# Altium PCB main_pcb_new.PcbDoc
Units mm, origin at the board's own origin, x right, y up, seen from the top; angles counter-clockwise.
Board outline 90.08 x 133.03 mm, 2 copper layers (Top Layer, Bottom Layer); 17 components, 96 nets, 73 pads, 0 vias.
Unrouted connection lines stored in the file: 4.
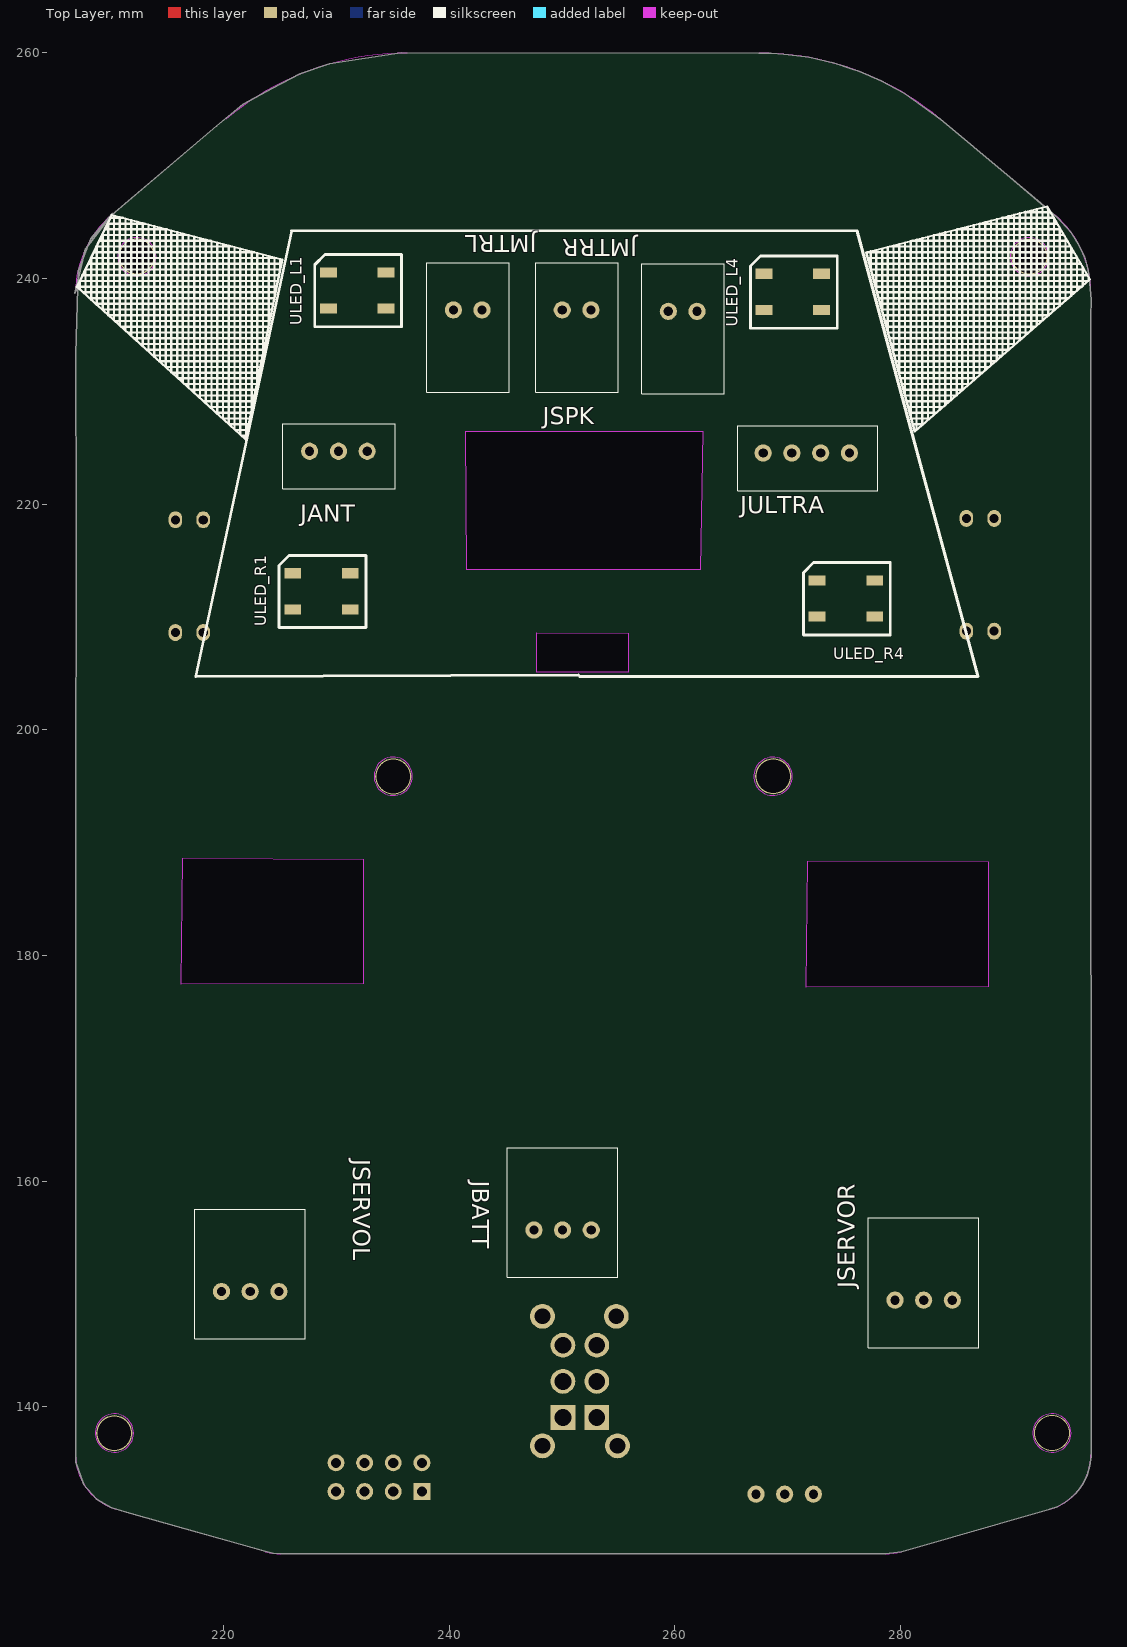
[diagram p0: Top Layer view]
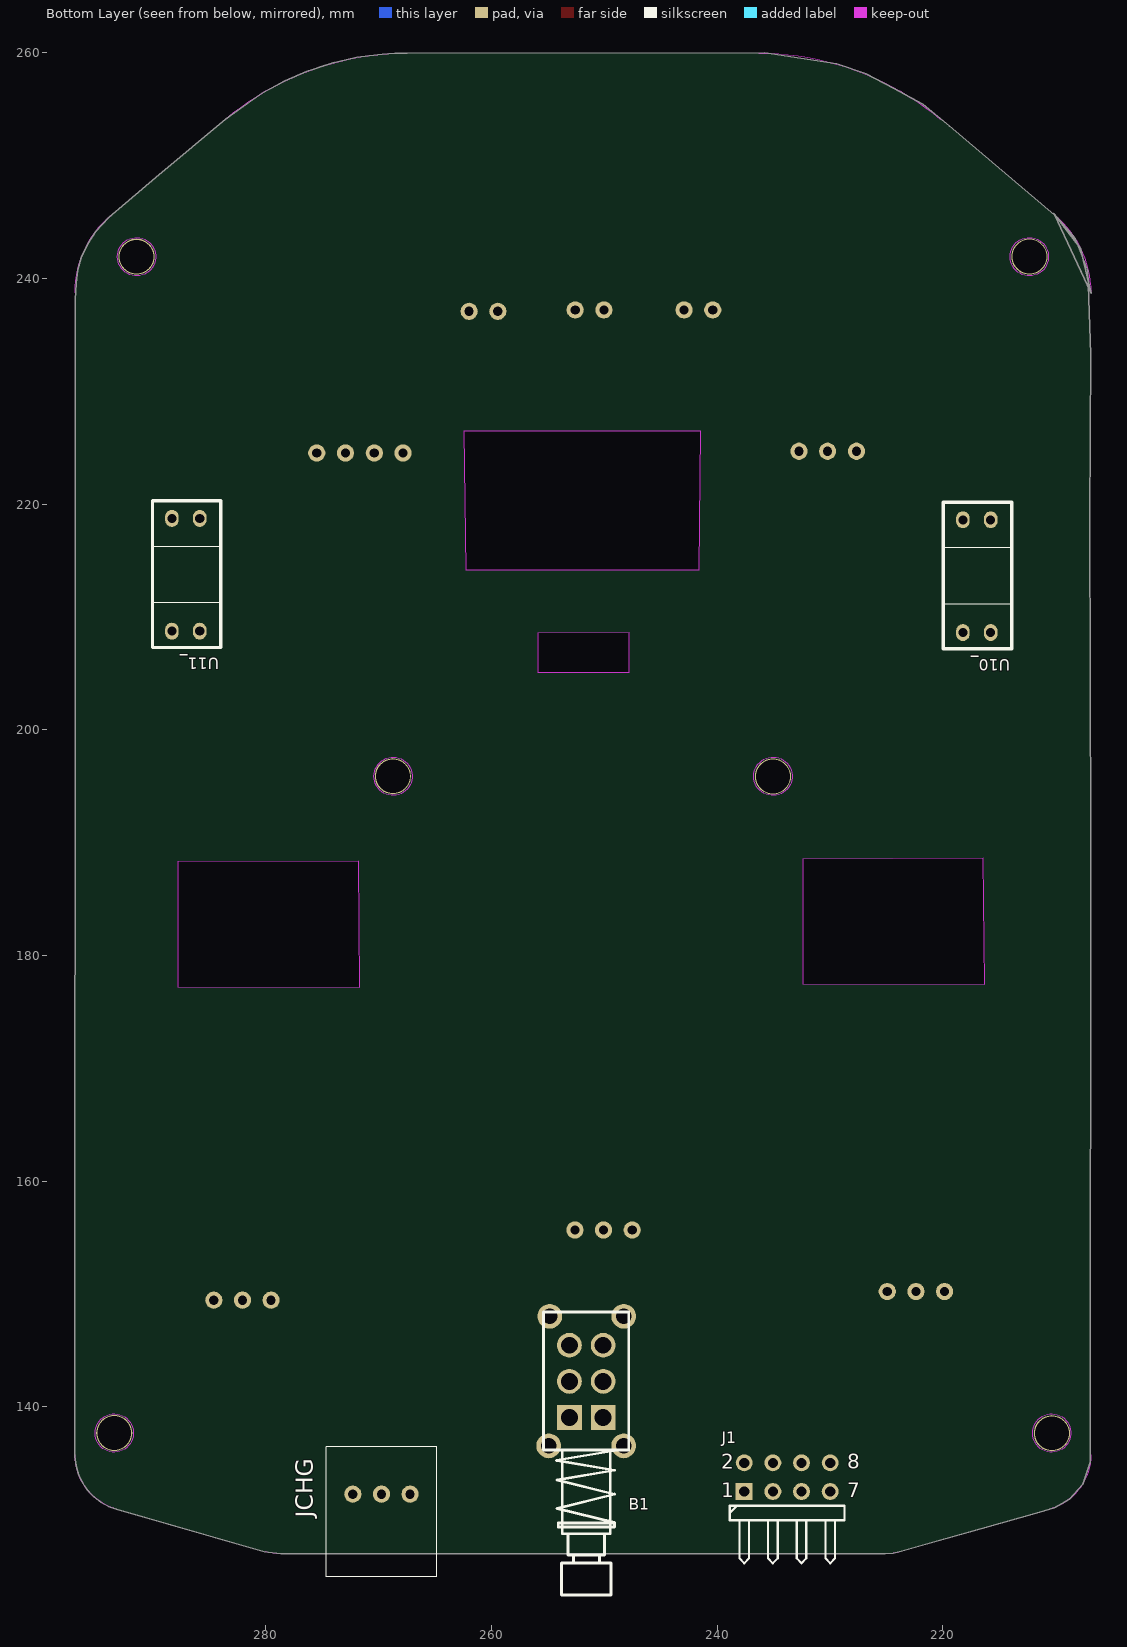
[diagram p1: Bottom Layer view, seen from below]

## Layer stack, top to bottom
Top Layer: signal copper 0.0356
Dielectric: dielectric 0.32, FR-4, Dk 4.8
Bottom Layer: signal copper 0.0356

## Board outline
206.837,238.662 207.748,242.556 210.104,245.622 219.402,253.498 221.748,255.425 224.345,256.849 226.782,258.146 229.394,259.043 235.778,259.989 267.461,259.942 268.55,259.965 269.677,259.882 270.82,259.733 271.926,259.599 274.183,259.065 275.275,258.701 273.916,259.162 275.76,258.555 276.343,258.361 278.289,257.534 280.37,256.39 283.555,254.112 289.456,249.177 292.445,246.667 293.887,245.413 295.077,244.148 295.78,243.057 296.365,241.855 296.665,240.716 296.795,239.577 296.901,238.089 296.889,236.607 296.876,233.469 296.889,220.929 296.921,135.622 296.803,134.746 296.565,133.95 296.199,133.181 295.773,132.577 295.493,132.263 295.212,131.999 294.583,131.506 293.919,131.149 293.232,130.893 280.134,127.157 278.688,126.961 225.089,126.961 224.388,127.009 223.684,127.178 221.501,127.809 216.599,129.168 211.423,130.64 210.1,131.059 208.754,131.809 207.607,133.11 206.932,135.102 206.9,190.536 206.958,218.745 206.9,233.278 207.129,240.659 208.256,243.517 210.148,245.755 207.775,242.636 206.889,238.727 210.1,245.708
cut-out: 232.41,177.482 216.281,177.419 216.408,188.595 232.41,188.531
cut-out: 287.782,177.228 271.653,177.165 271.78,188.341 287.782,188.278
cut-out: 241.468,226.441 262.468,226.441 262.277,214.163 241.576,214.163
cut-out: 247.777,208.58 255.905,208.534 255.905,205.105 247.777,205.08

## Design rules (kind name [scope] priority, off if disabled: settings)
Clearance [All] p1: gap=0.1
FabricationTestpoint [(IsPad And (OnTopLayer Or OnBottomLayer))] p1: side=3 testpointundercomponent=TRUE minsize=1.016 maxsize=2.54 preferedsize=1.524 minholesize=0 maxholesize=1.016 preferedholesize=0.813 testpointgrid=0.025 allowsidetop=TRUE allowsidebottom=TRUE usegrid=TRUE gridtolerance=0
PolygonConnect [All] p1: connectstyle=Relief reliefconductorwidth=0.254 reliefentries=4 polygonreliefangle="90 Angle"
RoutingVias [All] p1: holewidth=0.3 width=0.7 viastyle="Through Hole" minholewidth=0.1 minwidth=0.1 maxholewidth=0.711 maxwidth=1.27
SilkscreenOverComponentPads SilkToSolderMaskClearance [IsPad] p1: minsilkscreentomaskgap=0.254
SolderMaskExpansion [All] p1: expansion=0.102
Width Width_2 [InNet('V5')] p1: maxlimit=1 minlimit=0.254 preferedwidth=0.5
Width Width_1 [All] p2: maxlimit=0.5 minlimit=0.254 preferedwidth=0.3
Width GND [InNet('GND')] p3: maxlimit=0.5 minlimit=0.254 preferedwidth=0.5
Width vcc5 [InNet('V5')] p4: maxlimit=0.5 minlimit=0.254 preferedwidth=0.4
Width [InNet('GND')] p5: maxlimit=1 minlimit=0.254 preferedwidth=0.5 minimp=50.000000 maximp=50.000000 favimp=50.000000
26 further rules are at their usual default settings.

## Components (designator, comment, footprint, x,y, rotation, side; value= is the part's Value field where it differs from the comment)
B1 "ON/OFF" KGPS22F03 251.427,142.342 r0 bottom
J1 "XSP" HDR2X4H 237.597,132.483 r180 bottom
JANT "Comment" B3B-XH-2 228.346,224.661 r90 top
JBATT "Comment" S3B-XH-A(LF)(SN) 250.063,161.163 r270 top
JCHG "Comment" S3B-XH-A(LF)(SN) 269.748,126.746 r90 bottom
JMTRL "Comment" S2B-XH-A(LF)(SN) 242.824,237.109 r90 top
JMTRR "Comment" S2B-XH-A(LF)(SN) 261.874,236.982 r90 top
JSERVOL "Comment" S3B-XH-A(LF)(SN) 222.377,155.702 r270 top
JSERVOR "Comment" S3B-XH-A(LF)(SN) 282.067,154.94 r270 top
JSPK "Comment" S2B-XH-A(LF)(SN) 252.476,237.109 r90 top
JULTRA "Comment" B4B-XH-A 275.082,227.201 r90 top
U10_ "ITR9608" ITR9608 216.983,213.607 r270 bottom locked (schematic designator U6)
U11_ "ITR9608" ITR9608 287.087,213.734 r270 bottom locked (schematic designator U7)
ULED_L1 "WS2812B" WS2812B 231.902,239.014 r180 top
ULED_L4 "WS2812B" WS2812B 270.51,238.887 r180 top
ULED_R1 "WS2812B" WS2812B 228.727,212.344 r180 top
ULED_R4 "WS2812B" WS2812B 275.209,211.709 r180 top

## Footprints (in the part's own frame and the unit in brackets; to place one, negate y for a bottom-side part, rotate by r counter-clockwise, add the part's x,y. Pads: shape width x height; smd on the part's side, far side on the other; paste and mask are expansions set on the pad)
B3B-XH-2 [mil]
  round 60 hole 32: 1(0.79,-173.23) 2(0.79,-73.23) 3(0.79,27.56)
  silkscreen extent -130,-272 96,122
B4B-XH-A [mil]
  round 60 hole 32: 1(-105.51,-15.75) 2(-105.51,84.25) 3(-105.51,185.04) 4(-105.51,285.04)
  silkscreen extent -236,-114 -10,374
HDR2X4H [mm]
  rect 1.5x1.5 hole 0.9: 1(0,0)
  round 1.5 hole 0.9: 2(0,2.54) 3(2.54,0) 4(2.54,2.54) 5(5.08,0) 6(5.08,2.54) 7(7.62,0) 8(7.62,2.54)
  silkscreen extent -1.27,-6.35 8.89,-1.27, body extent -1.27,-1.52 8.89,3.56, height 6.5
ITR9608 [mm]
  oval 1.5x1.2 hole 0.8: 1(-5,1.233) 2(-5,-1.234) 3(5,1.233) 4(5,-1.234)
  silkscreen extent -6.55,-2.96 6.45,3.08, body extent -6.5,-3 6.5,3, height 10
KGPS22F03 [mm]
  round 2.2 hole 1.4: 0(-3.146,-5.666) 0(-3.146,5.814) 0(3.399,-5.666) 0(3.5,5.814)
  rect 2.2x2.2 hole 1.5: 1(-1.334,3.296) 6(1.666,3.296)
  round 2.2 hole 1.5: 2(-1.334,0.096) 3(-1.334,-3.104) 4(1.666,-3.104) 5(1.666,0.096)
  silkscreen extent -3.59,-6.05 3.96,19.04, body extent -3.15,-5.7 3.5,19, height 9
S2B-XH-A(LF)(SN) [mil]
  round 60 hole 32: 1(3.94,-3.94) 2(3.94,96.06)
  silkscreen extent -283,-98 169,189
S3B-XH-A(LF)(SN) [mil]
  round 60 hole 32: 1(216.54,-100) 2(216.54,0) 3(216.54,100)
  silkscreen extent -71,-193 382,193
WS2812B [mm]
  rect 1.5x0.9 smd: 1(-2.519,1.678) 2(-2.519,-1.522) 3(2.581,-1.522) 4(2.581,1.678)
  silkscreen extent -3.9,-3.1 3.8,3.3, body extent -2.52,-2.42 2.48,2.58, height 0.6

## Free pads (board coordinates)
  round 3.2 hole 3: 7(210.327,137.646) 8(293.434,137.668) 9(291.453,241.924) 10(212.321,241.931) 11(235.056,195.859) 12(268.739,195.872)

## Nets (pads, with @x,y where several pads share a name; then routed paths per layer and width w, separated by ;. In a path a pad name is that pad's centre, name@x,y a point inside that pad or via, vN(x,y) a via of type N, cw(c..) or ccw(c..) an arc to the next point about the centre after c; other vN are vias at no path point)
ARM_SERVO_L: 
ARM_SERVO_R: 
BATT_SENSE: 
CS_FLASH: 
CS_RFID_13: 
GND: J1.6 U10_.2 U10_.4 U11_.2 U11_.4
LEDS_3V_INV: 
LEDS_INV: 
MIC: 
MISO: J1.1
MOSI: J1.4
MOTOR_L_ENC: U11_.3
MOTOR_R_ENC: U10_.3
MTR_L_BCK: 
MTR_L_EN: 
MTR_L_ENC: 
MTR_L_FWD: 
MTR_R_BCK: 
MTR_R_EN: 
MTR_R_ENC: 
MTR_R_FWD: 
Net1_1: U11_.1
NetB1_1: B1.1
NetB1_2: B1.2
NetB1_5: B1.5
NetB1_6: B1.6
NetC1_2: 
NetC2_2: 
NetC5_2: 
NetC14_2: 
NetC18_2: 
NetC25_2: 
NetC26_2: 
NetC28_1: 
NetC28_2: 
NetC30_2: 
NetC33_2: 
NetC36_1: 
NetC37_1: 
NetC38_1: 
NetC39_1: 
NetF1_1: 
NetF2_1: 
NetJANTENNA_MOD1_1: 
NetJANTENNA_MOD1_2: 
NetJMTR1_1: 
NetJMTR1_2: 
NetJMTR2_1: 
NetJMTR2_2: 
NetJRFID1_2: 
NetJRFID1_6: 
NetJSPK1_1: 
NetJSPK1_2: 
NetJULTRA1_2: 
NetJULTRA1_3: 
NetL1_1: 
NetL2_1: 
NetQ2_3: 
NetQ4_3: 
NetR1_1: 
NetR7_1: 
NetR10_2: 
NetR11_2: 
NetR20_1: U10_.1
NetR23_2: 
NetR25_2: 
NetU8_3: 
NetU8_6: 
NetU8_8: 
NetU8_11: 
NetU10_6: 
NetU11_3: 
NetU11_6: 
NetULED_L1_2: 
NetULED_L1_4: 
NetULED_L2_2: 
NetULED_L3_2: 
NetULED_R1_2: 
NetULED_R2_2: 
NetULED_R3_2: 
RESET: J1.5
RFID_125_PWR: 
RXD_FTDI: J1.8
SCK: J1.3
SCL: 
SDA: 
SPK_EN: 
SPK_N: 
SPK_P: 
TXD_FTDI: J1.7
TXD_RFID: 
ULTRA_ECHO: 
ULTRA_TRIG_INV: 
V3: J1.2
V5: 
VBATT: B1.3
pads on no net: B1.0 B1.4 JANT.1 JANT.2 JANT.3 JBATT.1 JBATT.2 JBATT.3 JCHG.1 JCHG.2 JCHG.3 JMTRL.1 JMTRL.2 JMTRR.1 JMTRR.2 JSERVOL.1 JSERVOL.2 JSERVOL.3 JSERVOR.1 JSERVOR.2 JSERVOR.3 JSPK.1 JSPK.2 JULTRA.1 JULTRA.2 JULTRA.3 JULTRA.4 ULED_L1.1 ULED_L1.2 ULED_L1.3 ULED_L1.4 ULED_L4.1 ULED_L4.2 ULED_L4.3 ULED_L4.4 ULED_R1.1 ULED_R1.2 ULED_R1.3 ULED_R1.4 ULED_R4.1 ULED_R4.2 ULED_R4.3 ULED_R4.4

## Polygon pours and split planes (outlines as drawn)
no net on Top Overlay "Bottom Layer-No Net" (hatched 90Degree grid 0.508 track 0.203): 225.214,241.675 210.103,245.621 207.01,239.268 221.962,225.749
no net on Top Overlay "Bottom Layer-No Net" (hatched 90Degree grid 0.508 track 0.203): 292.989,246.38 276.983,242.298 281.286,226.438 296.799,239.903

## Keep-outs
Keep-Out Layer:
  circle w0.013: c212.331,241.925 r1.7
  circle w0.013: c291.446,241.925 r1.7
  circle w0.013: c268.717,195.869 r1.7
  circle w0.013: c293.432,137.661 r1.7
  circle w0.013: c210.345,137.661 r1.7
  circle w0.013: c235.051,195.87 r1.7
  lines w0.013: 206.889,135.733 ccw(c211.889,135.733) 210.515,130.925 ; 206.889,238.727 cw(c215.889,238.727) 210.103,245.621 ; 220.223,254.112 cw(c236.292,234.961) 236.292,259.961 ; 223.715,127.154 ccw(c225.089,131.961) 225.089,126.961 ; 267.485,259.961 cw(c267.485,234.961) 283.555,254.112 ; 278.688,126.961 ccw(c278.688,131.961) 280.062,127.154 ; 293.262,130.925 ccw(c291.889,135.733) 296.889,135.733 ; 293.674,245.621 cw(c287.889,238.727) 296.889,238.727

## Silkscreen, mask and mechanical layers (free items; w line width, h text height)
Top Overlay:
  lines w0.254: 251.46,204.851 217.551,204.724 226.052,244.221 276.169,244.221 286.883,204.728 251.587,204.724
Mechanical 1:
  circle w0.127: c30.452,27.062 r0.043
  circle w0.127: c30.452,29.072 r0.043
  circle w0.127: c29.283,28.495 r0.11
  circle w0.127: c29.283,28.494 r0.043
  circle w0.127: c29.283,27.639 r0.11
  circle w0.127: c29.283,27.64 r0.043
  circle w0.127: c27.804,29.122 r0.043
  circle w0.127: c27.804,27.012 r0.043
  circle w0.127: c224.314,90.843 r1.7
  circle w0.127: c224.314,169.958 r1.7
  circle w0.127: c178.275,147.245 r4.331
  circle w0.127: c178.257,147.229 r1.7
  circle w0.127: c178.275,113.555 r4.331
  circle w0.127: c178.257,113.571 r1.7
  circle w0.127: c120.05,171.944 r1.7
  circle w0.127: c120.05,88.856 r1.7
  circle w0.127: c224.314,90.843 r1.7
  circle w0.127: c224.314,169.958 r1.7
  circle w0.127: c178.275,147.245 r4.331
  circle w0.127: c178.257,147.229 r1.7
  circle w0.127: c178.275,113.555 r4.331
  circle w0.127: c178.257,113.571 r1.7
  circle w0.127: c120.05,171.944 r1.7
  circle w0.127: c120.05,88.856 r1.7
  lines w0.127: 27.532,27.386 ccw(c27.659,27.386) 27.537,27.351 ; 27.532,28.748 cw(c27.659,28.748) 27.537,28.783 ; 27.633,27.016 ccw(c27.755,27.051) 27.755,26.924 ; 30.371,26.924 ccw(c30.371,27.153) 30.546,27.006 ; 30.371,29.21 cw(c30.371,28.981) 30.546,29.128 ; 30.762,27.263 ccw(c30.276,27.671) 30.9,27.556 ccw(c30.276,27.671) 30.911,27.671 ; 30.762,28.871 cw(c30.276,28.463) 30.9,28.578 cw(c30.276,28.463) 30.911,28.463 ; 232.772,290.199 cw(c237.29,265.61) 237.29,290.61 ; 247.296,252.404 ccw(c228.145,268.474) 252.734,263.956 ; 252.734,263.956 ccw(c228.145,268.474) 253.145,268.474 ; 252.734,304.184 cw(c228.145,299.666) 253.145,299.666 ; 268.482,290.61 cw(c268.482,265.61) 273,290.199 ; 279.935,265.485 ccw(c260.784,281.555) 285.373,277.037 ; 284.253,269.803 ccw(c265.102,285.873) 289.691,281.355 ; 285.373,277.037 ccw(c260.784,281.555) 285.784,281.555 ; 285.373,317.265 cw(c260.784,312.747) 285.784,312.747 ; 289.691,281.355 ccw(c265.102,285.873) 290.102,285.873 ; 289.691,321.583 cw(c265.102,317.065) 290.102,317.065 ; 113.314,171.774 cw(c118.122,170.4) 118.122,175.4 ; 113.314,171.774 cw(c118.122,170.4) 118.122,175.4 ; 113.314,171.774 cw(c118.122,170.4) 118.122,175.4 ; 113.314,171.774 cw(c118.122,170.4) 118.122,175.4 ; 241.939,150.514 ccw(c217.35,145.996) 236.501,162.066 cw(c217.35,145.996) 241.939,150.514 ; 241.939,150.514 cw(c217.35,145.996) 242.35,145.996 ccw(c217.35,145.996) 241.939,150.514 ; 27.633,29.118 cw(c27.755,29.083) 27.755,29.21 ccw(c27.755,29.083) 27.633,29.118 ; 109.35,103.6 ccw(c114.35,103.6) 109.542,102.227 cw(c114.35,103.6) 109.35,103.6 ; 109.35,157.2 cw(c114.35,157.2) 109.542,158.573 ccw(c114.35,157.2) 109.35,157.2 ; 113.314,89.026 ccw(c118.122,90.4) 118.122,85.4 cw(c118.122,90.4) 113.314,89.026 ; 221.116,85.4 ccw(c221.116,94.4) 228.01,88.615 cw(c221.116,94.4) 221.116,85.4 ; 221.116,175.4 cw(c221.116,166.4) 228.01,172.185 ccw(c221.116,166.4) 221.116,175.4 ; 236.501,98.734 ccw(c217.35,114.804) 241.939,110.286 cw(c217.35,114.804) 236.501,98.734 ; 241.939,110.286 ccw(c217.35,114.804) 242.35,114.804 cw(c217.35,114.804) 241.939,110.286

## Text inside footprints (layer, text, board x,y; h text height)
J1: Bottom Overlay "8" at 228.453,134.515 h1.3; Bottom Overlay "7" at 228.453,131.975 h1.3; Bottom Overlay "1" at 239.629,131.975 h1.3; Bottom Overlay "2" at 239.629,134.515 h1.3